# KiCad board MasterController.kicad_pcb (continued)
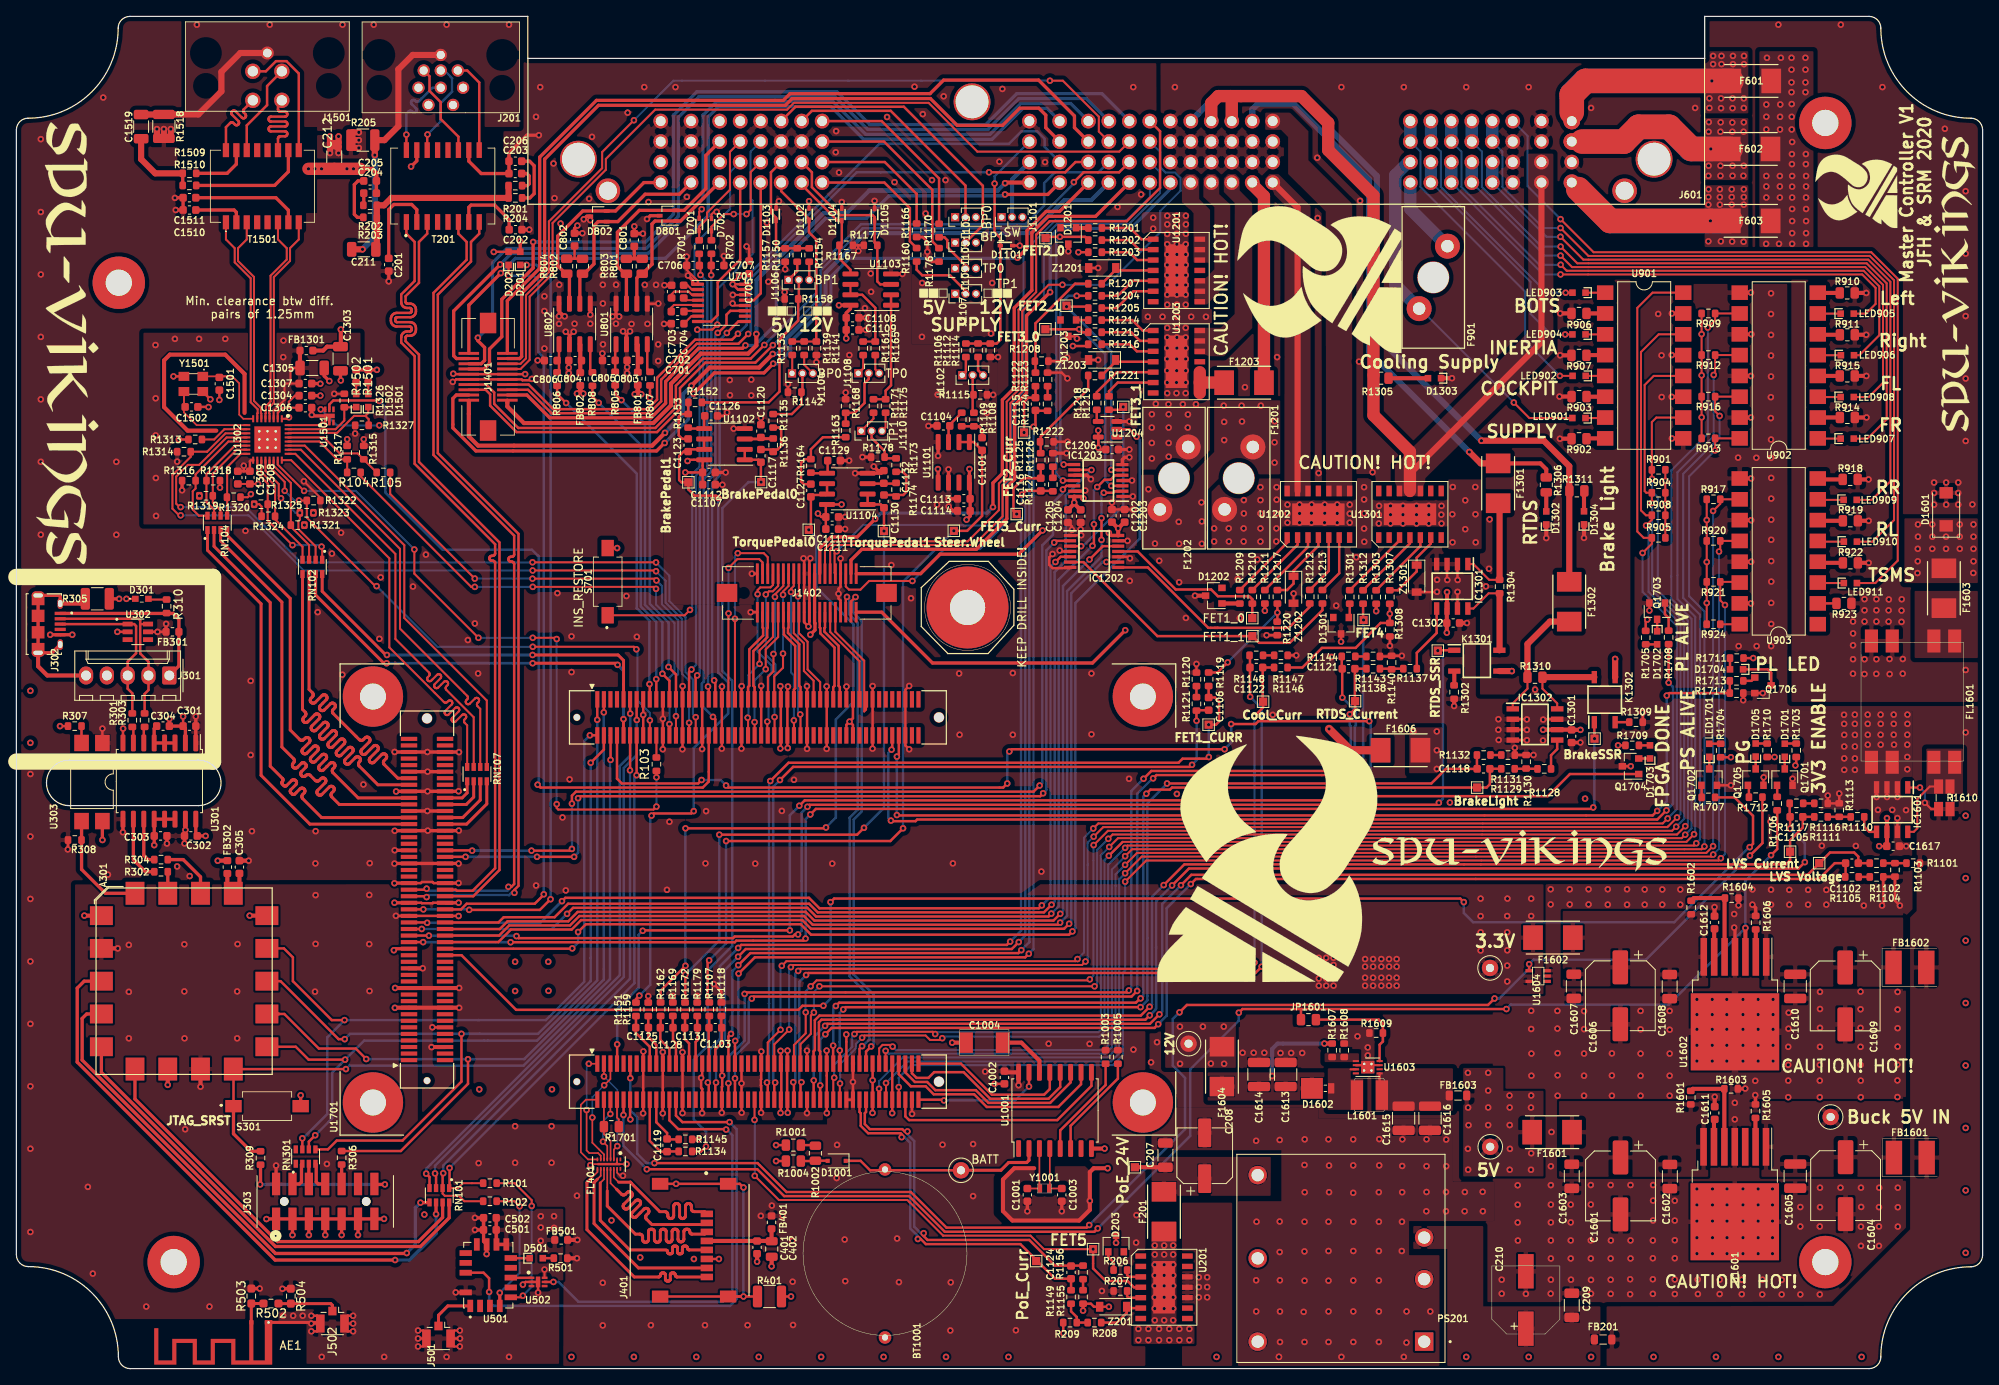
[diagram p0: board, top side]
## Routing (per net, layer and track width the routed paths; a pad name or vN(x,y) marks a point on that pad's centre or on a via; arc(x,y) is an arc through that point)
+3V3: length 180.3
  Top w0.2: v1(74.03,23.53) 73.7,23.53 73.33,23.91 FL401.15
  Top w0.25: 201.28,101.38 v1(201.28,102.7) v1(201.28,105.55) v1(201.28,108.33) 201.28,109.67 ; 206.32,90.83 v1(206.32,93.42) v1(206.32,98.42) v1(206.32,103.55) 206.32,106.08 ; R909.1 v1(205.7,126.22) v1(205.7,121.2) v1(205.7,116.08) R913.1 ; U701.16 88.92,133.08 C705.2 88.49,133.61 v1(88.21,133.33) 87.43,132.54 v1(87.43,132.32) ; U1501.6 v1(37.15,117.05)
  Top w0.3: 116.41,108.02 U1101.8 ; v1(132.05,112.37) 132.27,112.15 C1206.2 ; v1(132.05,112.37) U1204.5 ; v1(132.05,112.37) v1(132.05,114.47) ; C1111.1 98.8,105.3 U1104.8 v1(100.72,105.44) ; U701.15 88.08,131.67 v1(87.43,132.32) U701.16 ; 130.82,124.99 130.61,124.78 v1(128.95,124.78) ; v1(53.33,121.4) 53.38,121.34 J1401.10 62.09,121.34 v1(62.1,121.35) ; 81.9,109.35 81.65,109.35 v1(81.65,109.35) ; 81.9,109.35 C1112.2 ; 81.9,109.35 81.9,109.35 ; R1711.1 v1(212,86.7) ; v1(53.97,55.22) 53.96,55.24 U1701.JX3.46 46.33,55.24 v1(46.33,55.25) ; U1701.JX2.98 109.31,31.09 v1(109.32,31.07) ; v1(217.15,73.6) 217.25,73.7 R1703.1 ; U1701.JX1.79 102.11,79.36 v1(101.7,78.95) ; U1701.JX2.78 U1701.JX2.80 v1(102.11,34.99) U1701.JX2.79 ; R1203.2 v1(129.63,136.22) ; R1705.1 198.88,91.2 v1(199.07,91.4) ; C1110.1 98.25,103.92 v1(97.84,104.34) ; v1(101.7,78.95) 102.11,78.54 U1701.JX1.80 ; v1(101.7,78.95) 101.31,78.56 U1701.JX1.78 ; v1(58.27,136.26) 58.28,136.27 D202.2 ; S701.2 v1(73.33,100.12) ; C1107.1 83.76,110.7 U1102.8 82.07,110.89 v1(81.92,110.75) ; R1704.1 v1(209.28,74.6) ; R1710.1 v1(214.6,74.62)
  Top w0.4: v1(130.25,106.17) 130.01,106.42 129.12,106.42 ; v1(16.83,63.88) C303.2 16.83,67.04 U301.12 U301.14 ; v1(116.33,109.77) 116.33,108.12 U1101.8 116.42,108.01 C1114.1 116.42,104.03 v1(115.98,103.59) ; U303.4 10.49,64.5 v1(10.5,64.5) ; R1501.1 v1(44,121.88) ; J303.2 v1(31.7,24.78) ; D202.2 D201.2 v1(61.5,137.55) ; v1(101.29,125.7) C1109.1 101.29,128.81 101.81,129.32 U1103.8 100.41,129.76 v1(100.4,129.75) ; v1(23.1,65) 22.08,65 21.9,65.17 U301.16 ; v1(133.35,101.97) 133.66,101.66 IC1202.14 ; R1211.2 v1(152.39,92.47) ; U1101.5 112.51,109.73 v1(112.48,109.76) ; R1303.2 v1(165.98,92.42)
  Top w0.5: 129.12,105.55 C1205.2 ; 129.12,105.55 129.88,104.79 C1204.2 ; 129.12,105.55 v1(129.12,105.67) 129.12,106.42 ; 134.49,102.52 IC1202.14 ; 134.49,102.52 v1(134.48,102.53) C1202.2 ; 134.49,102.52 135.25,103.28 C1203.2 ; 67.24,13.46 v1(68.42,13.46) ; v1(75.47,118.9) 75.85,119.28 75.85,120 75.85,119.33 v1(76.28,118.9) ; FB501.1 v1(68.47,15.7) ; v1(69.2,118.97) 68.83,119.34 FB802.1 68.83,119.38 v1(68.42,118.97) ; C1002.2 120.75,36.15 U1001.16 122.32,36.15 v1(122.32,34.57) ; FB302.2 24.59,61.99 v1(24.58,61.97) ; A301.8 v1(22.48,34.4) ; FB1301.1 37.45,124.22 37.92,124.7 39.6,124.7 v1(39.6,126.8) ; A301.2 v1(12.38,51.28)
  Bottom w0.25: v1(44.3,115.1) 39.1,115.1 v1(37.15,117.05)
  vias: v1(13.73,51.7) v1(13.73,45.97) v1(13.73,40.3) v1(20.5,51.78) v1(20.5,46.03) v1(20.52,40.3) v1(20.6,29.2) v1(27,51.8) v1(26.95,46.03) v1(26.95,40.3) v1(36.52,57.78) v1(36.52,51.82) v1(36.45,46) v1(37.9,24.97) v1(43.08,57.8) v1(43.08,51.8) v1(43.1,46.07) v1(56.42,25.07) v1(56.5,34.07) v1(60.88,49.65) v1(60.88,46.07) v1(60.88,29.57) v1(60.88,25.12) v1(64.92,49.65) v1(64.95,46.1) v1(65.33,29.57) v1(65.33,25.12) v1(65.38,34.07) v1(68.42,21.1) v1(71.58,10.47) v1(71.58,5.28) v1(77.45,5.3) v1(84.05,5.3) v1(89.25,5.3) v1(90.87,18.65) v1(92.21,19.89) v1(93.53,18.65) v1(94.72,15.6) v1(94.75,10.6) v1(94.8,5.32) v1(100.12,23.25) v1(100.17,27.3) v1(101.1,15.75) v1(101.18,10.68) v1(107.5,15.88) v1(107.72,10.55) v1(113.05,27.32) v1(114,4.65) v1(114.05,10.53) v1(116.78,27.4) v1(116.78,21.05) v1(118.25,36.25) v1(122,4.68) v1(126,39.65) v1(131,39.62) v1(132.5,9.47) v1(136.35,38.93) v1(136.72,18.72) v1(136.68,15.38) v1(158.97,50.12) v1(158.97,49.25) v1(158.97,47.6) v1(158.97,46.72) v1(159.88,50.12) v1(159.88,49.25) v1(159.88,47.6) v1(159.88,46.72) v1(160.78,50.12) v1(160.78,49.25) v1(160.78,47.6) v1(160.78,46.72) v1(164.62,49.97) v1(164.62,49.05) v1(164.62,47.7) v1(164.62,46.72) v1(165.6,49.97) v1(165.6,49.05) v1(165.6,47.7) v1(165.6,46.72) v1(166.6,49.97) v1(166.6,49.05) v1(166.6,47.7) v1(166.6,46.72) v1(167.55,49.97) v1(167.55,49.05) v1(167.55,47.7) v1(167.55,46.72) v1(168.47,49.97) v1(168.47,49.05) v1(168.47,47.7) v1(168.47,46.72) v1(178.72,57.35) v1(178.72,55.22) v1(178.72,53.24) v1(178.72,51.01) v1(182,57.35) v1(181.97,55.22) v1(181.97,53.24) v1(181.97,51.04) v1(181.97,49.18) v1(181.97,47.24) v1(184.9,57.35) v1(184.9,55.22)
+5V: length 56.6
  Top w0.3: 227.32,63.75 v1(227.38,63.75) C1617.2 ; v1(93.28,31.2) 93.31,31.24 U1701.JX2.58 93.37,32.87 93.37,37.16 U1701.JX2.57 93.31,38.74 v1(93.28,38.78) ; v1(94.15,31.22) 94.11,31.26 U1701.JX2.60 94.07,32.85 94.07,37.18 U1701.JX2.59 94.11,38.78 v1(94.12,38.8) ; v1(74.94,30.41) 74.91,30.44 U1701.JX2.12 ; v1(94.17,83.22) 94.11,83.16 U1701.JX1.59 U1701.JX1.60 94.11,75.77 v1(94.15,75.72) ; R1709.1 v1(195.5,76.05) ; v1(93.25,83.28) 93.31,83.22 U1701.JX1.57 U1701.JX1.58 93.31,75.73 v1(93.25,75.67) ; R1001.1 92.73,27.27 v1(92.72,27.28)
  Top w0.4: J1402.24 J1402.23 97.43,90.99 97.48,90.94 97.48,90.12 v1(96.91,89.55)
  Top w0.5: v1(186.35,77.95) 186.37,77.97 IC1302.6 189.81,77.97 C1301.1 v1(190.91,77.94) ; v1(228.32,67.17) 228.32,63.78 C1617.2 ; v1(174.6,89.8) C1302.1 174.6,92.72 IC1301.6 174.62,92.75 v1(174.62,94.75)
  vias: v1(170.53,77.75) v1(173.38,77.75) v1(173.38,75.45) v1(173.38,73.17) v1(177.18,36.1) v1(177.2,31.85) v1(177.25,29.7) v1(177.18,26.82) v1(177.2,24.28) v1(179.65,36.1) v1(179.65,33.93) v1(179.65,31.87) v1(179.65,29.72) v1(182.25,33.32) v1(182.28,31.87) v1(182.28,29.72) v1(182.3,26.81) v1(182.28,24.26) v1(184.9,33.32) v1(184.88,31.85) v1(184.9,26.28) v1(184.88,24.26)
+5V_Sensor: length 148.7
  Top w1: v1(160.22,78.05) 162.82,75.45 F1606.2
  In2.Cu w1: J1103.1 114.58,142 115.03,142.45 119.68,142.45 120.26,141.87 J1101.1 ; J1103.1 114.58,129.92 ; J1103.1 114.58,151.22 111.43,154.38 88.95,154.38 88.35,153.78 88.35,152.22 ; v1(160.22,78.05) 149.38,88.9 132.73,88.9 120.6,101.03 120.6,121.02 114.59,127.03 J1107.1
+12V: length 217.2
  Top w0.4: v1(125.25,102.28) 122.35,99.38 112.75,99.38 110.38,97 J1402.40 ; v1(135.35,90.1) 131.35,86.1 111.82,86.1 105.62,92.3 J1402.39
  In2.Cu w1: J1105.3 120.94,137.4 122.8,139.26 J1101.3 ; J1103.3 117.13,140.49 J1107.3 118.87,131.15 125.25,124.77 v1(125.25,102.28) 125.25,98.07 133.22,90.1 v1(135.35,90.1) 149.88,90.1 162.82,77.15 162.82,44.4 158.07,39.64 143.08,39.64 TP1604.1
  vias: v1(142.03,41.73) v1(142.03,37.2) v1(144.82,41.73) v1(145.8,37.22) v1(147.38,41.73) v1(147.41,37.2)
+24V:
  vias: v1(136.95,4.85) v1(136.95,3.47) v1(138.18,4.85) v1(138.18,3.47) v1(138.95,15.03) v1(138.95,13.93) v1(138.95,12.68) v1(138.95,11.38) v1(138.95,10.1) v1(138.95,8.7) v1(138.95,7.32) v1(138.95,5.9) v1(139.47,4.85) v1(139.47,3.47) v1(140.1,15.03) v1(140.1,13.93) v1(140.1,12.68) v1(140.1,11.38) v1(140.1,10.1) v1(140.1,8.7) v1(140.1,7.32) v1(140.1,5.9) v1(140.72,4.85) v1(140.72,3.47) v1(141.2,15.03) v1(141.2,13.93) v1(141.2,12.68) v1(141.2,11.38) v1(141.2,10.1) v1(141.2,8.7) v1(141.2,7.32) v1(141.2,5.9) v1(141.95,4.85) v1(141.95,3.47) v1(143.18,4.85) v1(143.18,3.47)
/Bluetooth/3V3_BT: length 5.5
  Top w0.25: v1(64.46,12.09) 64.46,11.09 U502.6
  Top w0.4: C502.2 58.58,15.18 U501.11 U501.10
  vias: v1(64.01,18.59) v1(64.01,17.22) v1(64.01,15.6) v1(65.62,18.6) v1(65.63,17.17)
/Driverless/VDDA: length 21
  Top w0.25: 33.45,120.2 33.45,121.92 33.62,122.1 C1305.2 ; 33.45,120.2 32.9,120.2 32.73,120.03 32.73,118.2 31.4,116.88 U1302.3 ; 33.45,120.2 C1307.1 ; v1(38.8,118.95) R1326.1 ; v1(35.09,108.27) 37.1,106.26 R1322.1
  Top w0.3: U1302.17 28.62,110.85 28.5,110.72 C1308.1 27.75,109.5 ; 27.75,109.5 v1(27.75,110.17) ; 27.75,109.5 C1309.1
  Top w0.4: R1316.1 v1(20.23,107.17)
  Top w0.5: C1305.2 34.61,122.11 FB1301.2
  vias: v1(16.98,124.9) v1(17,118.4) v1(17,113.88) v1(17.02,108.67) v1(17.05,104.05) v1(19.35,125.65) v1(19.62,110.67) v1(22.3,125.65) v1(25.5,125.65) v1(32.6,125.45) v1(32.58,123.42) v1(41.35,114.1)
/JTAG_UART Module/VBUS_DETECT: length 13.6
  Top w0.4: A301.18 10.88,58 7.95,60.92 U303.3
/Liveview/24V_PoE: length 360.8
  Top w0.4: C205.1 C204.1 ; v1(48.17,146.68) 48.88,147.38 T201.15
  Top w0.5: C205.1 43.95,145.88 43.42,146.4 v1(41.95,146.4)
  Top w1.5: v1(35.65,146.4) C212.1 v1(41.95,146.4)
  In2.Cu w1.5: J201.7 54.52,155.41 J201.1 53.3,151.8 v1(48.17,146.68) 47.9,146.4 v1(41.95,146.4) v1(41.15,146.4) v1(40.35,146.4) v1(37.25,146.4) v1(35.65,146.4) ; v1(145.35,9.95) 145.35,3.65 143.82,2.12 127.91,2.12 123.36,6.68 54.13,6.68 49.08,11.72 26.62,11.72 21.07,17.28 10.17,17.28 4.75,22.7 4.75,63.95 8.05,67.25 24.52,67.25 26.67,69.4 26.67,97.27 25.39,98.55 18.12,98.55 14.58,102.1 14.58,128.07 21.17,134.68 21.17,141.7 25.88,146.4 36.05,146.4
  vias: v1(36.45,146.4) v1(144.32,11.15) v1(144.32,9.95) v1(144.32,8.7) v1(145.35,11.15) v1(145.35,8.7)
/PowerSupply/3V3_EN: length 188.4
  Top w0.3: v1(74.1,30.95) 74.11,30.96 U1701.JX2.10 ; v1(76.95,24.32) 90.43,24.32 93.71,21.05 108.97,21.05 113.32,16.7 131.58,16.7 v1(131.99,17.11) ; JP1601.1 156.8,43.87 156.79,43.88 ; 156.79,43.88 v1(181.88,43.88) ; 156.79,43.88 149.66,43.88 v1(149.21,43.43) ; R1706.2 214.93,63.4 v1(214.18,62.65)
  Top w0.5: 211.04,50.24 v1(211.04,53.77)
  Bottom w0.3: v1(76.95,24.32) 74.1,27.18 v1(74.1,30.95) ; v1(181.88,43.88) 182.42,44.42 201.69,44.42 v1(211.04,53.77) 211.04,59.52 v1(214.18,62.65) ; v1(131.99,17.11) 143.28,28.4 143.28,36.52 149.21,42.45 v1(149.21,43.43)
GND: length 698
  Top w0.2: FL401.17 73.13,24.95 73.33,25.15 FL401.2 ; FL401.17 74.46,24.95 v1(74.47,24.96) ; FL401.17 70.19,24.95 v1(70.06,24.82)
  Top w0.25: v1(49.03,2.7) 49.65,2.7 50.05,3.1 J501.2 50.05,4.25 49.65,4.65 v1(49.03,4.65) ; v1(54.12,4.65) 53.47,4.65 53,4.18 J501.2 53,3.12 53.42,2.7 v1(54.12,2.7) ; C707.2 v1(86.36,135.75) ; v1(29.02,105.47) 29.65,105.47 29.92,105.2 R1324.1 ; v1(33.27,116.08) 33.1,115.9 U1302.1 ; U1603.9 165.55,37.03 U1603.7 ; R1318.1 v1(24.85,107.5) ; U701.12 87.68,129.72 v1(87.42,129.97) ; D701.2 83.34,141.17 v1(83.65,141.47) ; v1(155.9,94.58) 155.89,94.56 Z1202.2 ; U701.14 v1(87.44,131.02) ; D1102.2 v1(96.75,142.45) ; U701.1 83.2,132.68 81.81,134.06 C706.2 v1(81.81,135.69) ; C806.1 63.65,123 v1(63.62,123.03) ; v1(28.62,106.71) 28.24,106.33 R1320.1 ; U1501.2 U1501.7 ; C1309.2 C1308.2 v1(29.5,107.95) ; D702.2 84.84,140.84 85.15,141.15 v1(85.47,141.15) ; D1105.2 v1(104.75,142.49) ; D1104.2 v1(100.75,142.35)
  Top w0.3: R1220.2 v1(152.6,89.49) ; D203.3 v1(134.22,15.35) 134.22,15.18 ; J501.2 v1(49.03,3.68) ; J501.2 v1(54.15,3.68) ; 83.71,34.12 83.58,34.25 v1(83.58,35.48) 83.71,35.61 U1701.JX2.33 ; 83.71,34.12 83.6,34.22 ; 83.71,34.12 U1701.JX2.34 83.71,31.19 v1(83.7,31.18) ; v1(185.18,74.88) R1130.1 182.9,74.88 182.9,74.87 182.9,75.75 v1(182.9,75.75) ; U1701.JX1.16 76.51,79.77 v1(76.51,79.77) 76.51,79.77 U1701.JX1.15 ; v1(89.62,92.3) J1402.1 ; v1(74.05,126.58) 74.47,126.16 U801.2 74.47,126.14 v1(74.9,126.58) ; C1617.1 v1(230.68,63.75) ; D1203.3 129.18,125.96 v1(129.45,125.69) ; IC1302.2 184.35,79.23 v1(184.37,79.22) ; v1(229.6,67.17) 229.6,67.17 IC1601.7 ; v1(88.53,31.22) 88.51,31.24 U1701.JX2.46 v1(88.51,34.8) U1701.JX2.45 ; v1(23.67,118.28) 22.75,119.2 22.75,119.22 ; IC1301.2 175.9,96.25 v1(175.92,96.23) ; v1(133.35,7.55) Z201.2 131.53,7.55 131.16,7.92 R1155.2 ; U1701.JX3.55 49.36,59.24 49.5,59.38 50.8,59.38 50.94,59.24 U1701.JX3.56 ; U1701.JX1.33 83.71,75.61 v1(83.7,75.6) ; v1(76.53,38.7) 76.51,38.69 U1701.JX2.15 76.51,31.16 v1(76.5,31.15) ; IC1302.4 184.35,76.69 v1(184.37,76.68) ; v1(128.29,120.83) 127.59,121.53 R1123.2 ; v1(83.1,45.47) 83.11,45.47 R1179.2 ; IC1301.3 174.63,96.26 v1(174.66,96.23) ; v1(62.91,120.77) 62.74,120.6 61.78,120.6 61.67,120.71 J1401.12 53.67,120.71 53.37,120.4 v1(53.26,120.4) ; v1(104.5,31.2) 104.51,31.21 v1(104.51,35.19) U1701.JX2.85 ; v1(61.83,10.25) 62.15,10.57 U502.2 U502.7 v1(63.67,9.28) ; U501.17 v1(53.62,9.3) ; R1208.2 127.6,122.93 128.03,123.36 v1(128.27,123.36) ; IC1601.4 227.06,69.75 v1(227.05,69.75) ; J502.2 v1(41.1,5.5) ; J502.2 40.05,6.07 40.42,6.45 v1(41.1,6.45) ; J502.2 40.05,4.93 40.42,4.55 v1(41.1,4.55) ; 93.78,130.53 v1(93.78,131.35) ; Y1501.2 v1(19.17,121.08) ; v1(136.28,106.42) 136.26,106.42 135,106.42 ; v1(198.5,80.05) 198.51,80.03 R1309.2 ; v1(6.27,63.35) 6.3,63.38 R308.2 ; v1(86.12,83.22) 86.11,83.21 U1701.JX1.39 86.11,75.66 v1(86.1,75.65) ; U1603.9 164.7,37.03 U1603.2 ; IC1202.4 127.46,99.71 v1(127.34,99.83) ; v1(100.6,98.85) 100.6,98.85 J1402.34 100.6,95.41 100.35,95.16 v1(100.35,94.55) 100.35,93.97 100.6,93.72 J1402.33 ; v1(96.5,83.28) 96.51,83.27 U1701.JX1.65 96.51,75.63 v1(96.51,75.63) ; U1701.JX1.52 v1(90.91,83.3) ; U1701.JX2.91 U1701.JX2.92 106.91,31.19 v1(106.9,31.18) ; R401.1 v1(94.55,8.8) ; Z1203.2 v1(132.04,123.08) ; 109.88,138.07 110.62,138.07 111.2,137.5 v1(111.2,136.28) 111.2,135.6 111.72,135.07 112.62,135.07 ; D1103.2 92.72,142.1 v1(93.08,142.45) ; v1(96.5,38.8) 96.51,38.79 U1701.JX2.65 ; 155.18,87.03 v1(156.22,87.03) ; v1(67.05,126.53) 67.5,126.07 U802.2 67.5,126 v1(68.03,126.53) ; 85.33,109.33 C1112.1 ; v1(101.3,40.78) 101.31,40.76 U1701.JX2.77 ; v1(128.84,102.35) 128.84,102.75 C1205.1 ; U1701.JX2.66 96.51,31.19 v1(96.5,31.18) ; v1(90.92,38.7) 90.91,38.69 U1701.JX2.51 90.91,35.31 90.87,35.27 90.87,34.55 90.91,34.5 U1701.JX2.52 90.91,31.24 v1(90.9,31.22) ; v1(173.4,94.79) 173.36,94.75 Z1301.2 ; R1313.2 v1(19.83,113.38) ; v1(81.3,75.58) 81.31,75.58 U1701.JX1.27 81.31,83.26 v1(81.33,83.28) ; v1(96.91,98.88) 96.79,98.76 J1402.22 J1402.21 96.79,90.67 v1(96.68,90.55) 96.16,91.08 J1402.19 J1402.20 96.16,98.79 v1(96.08,98.88) ; v1(108.97,83.3) 108.51,82.83 U1701.JX1.96 108.51,76.03 v1(108.97,75.57) ; v1(169.11,86.98) R1140.1 167.78,86.9 R1143.2 ; R1004.1 v1(92.72,25.32) ; v1(98.9,38.8) 98.91,38.79 U1701.JX2.71 U1701.JX2.72 98.91,31.18 v1(98.92,31.18) ; v1(50.78,41.65) 50.78,41.64 U1701.JX3.12 ; J502.2 37.1,6.07 36.73,6.45 v1(36,6.45) ; J502.2 37.1,4.93 36.73,4.55 v1(36,4.55) ; J502.2 v1(36,5.5) ; Q1706.2 v1(213.16,82.42) ; Z1201.2 v1(132.04,134.3) ; R1159.2 v1(77.12,45.45) ; Q1704.3 v1(197.05,73.5) ; 134.44,99.11 IC1202.10 135.74,99.06 v1(135.93,98.88) ; U1701.JX3.49 49.44,56.84 49.49,56.78 50.78,56.78 50.84,56.84 U1701.JX3.50 ; v1(89.13,136.93) 89.44,136.62 C705.1 ; v1(23.45,117.33) 23.42,117.35 C1502.2 ; v1(101.32,83.22) 101.31,83.21 U1701.JX1.77 ; v1(88.53,83.28) 88.51,83.26 U1701.JX1.45 88.51,75.66 v1(88.5,75.65) ; v1(184.37,77.94) 184.34,77.97 IC1302.3 ; v1(213.28,72.15) 213.25,72.12 Q1705.2 ; v1(86.1,31.22) 86.11,31.24 U1701.JX2.40 86.11,34.38 86.15,34.42 v1(86.15,35.75) 86.11,35.79 U1701.JX2.39 ; v1(78.36,129.96) 78.34,129.94 U801.5 ; 102.76,137.06 102.76,136.38 v1(102.78,136.38) ; 102.76,137.06 R1177.1 ; 102.76,137.06 R1167.1 ; Q1702.2 v1(209.28,71.17) ; v1(126.48,99.4) 126.07,99 126.07,98.06 126.46,97.67 128.53,97.67 IC1202.7 ; v1(104.52,83.29) 104.51,83.28 U1701.JX1.86 104.51,75.66 v1(104.5,75.65) ; C1501.2 v1(24.77,118.2) ; IC1301.7 175.9,94.77 v1(175.91,94.78) ; IC1601.2 229.6,69.75 v1(229.6,69.75) ; v1(71.53,123.88) 71.54,123.86 C805.1 ; v1(210.78,81.55) 210.79,81.56 R1714.1 ; U802.5 70.05,128.6 v1(70.05,128.6) ; v1(227.72,56.5) 227.88,56.65 R1104.2 227.9,60.03 R1103.1 229.3,57.1 v1(229.9,56.5) ; v1(85.75,13.38) 85.75,13.38 84.28,13.38 ; v1(133.72,105.7) C1202.1 136.31,104.83 v1(136.32,104.83) ; R1222.2 v1(128.31,113.09) ; v1(66.92,128.4) 66.23,129.09 U802.8 66.23,128.41 v1(66.23,128.4) ; 199.32,93.42 v1(199.32,92.5) ; J1402.2 v1(89.78,97) ; v1(94.17,120.12) R1142.1 ; R209.2 127.78,4.32 v1(127.8,4.3) ; v1(78.9,75.58) 78.91,75.58 v1(78.91,79.28) U1701.JX1.21 ; 228.32,70.92 v1(228.32,69.75) ; IC1202.13 v1(135.62,101.01) ; v1(85.13,46.93) 86.05,46 86.05,44.68 ; v1(93.84,134.14) R1157.1 ; R1114.1 v1(119.82,123.43) ; v1(81.31,31.18) 81.31,31.18 U1701.JX2.27 81.31,38.6 v1(81.31,38.61) ; Q1701.2 v1(216.8,71.97) ; v1(221.1,69.92) R1116.2 R1113.1 v1(222.5,70.17) ; 135.22,104.89 C1203.1 ; R1308.2 v1(167.65,88.2) ; R1141.1 v1(97.65,122.8) ; U1701.JX2.22 78.91,31.16 v1(78.9,31.15) v1(78.9,38.62) 78.91,38.62 U1701.JX2.21 ; R1169.2 v1(80.12,45.47) ; C1204.1 129.91,102.41 v1(129.9,102.4) ; C1002.1 v1(119.4,34.75) ; R1145.2 v1(83.28,27.97) ; C1126.2 86.33,116.25 v1(86.75,116.67) ; v1(129.97,101.69) 128.64,101.69 IC1202.1 128.62,101.67 ; D1301.3 v1(161.69,88.7) ; R1120.2 v1(144.04,85.98) ; v1(72.78,128.38) 73.19,128.8 U801.8 73.19,128.75 v1(73.58,128.38) ; D1101.2 v1(122.47,137.03) ; v1(98.9,83.25) 98.91,83.24 U1701.JX1.71 U1701.JX1.72 98.91,75.64 v1(98.9,75.62) ; IC1302.7 186.41,79.23 v1(186.36,79.19)
  Top w0.37: AE1.2 36.96,5.64 J502.2
  Top w0.4: 76.92,140.22 v1(76.97,140.28) 77.38,140.68 D801.3 ; T201.10 55.22,147.33 56.73,145.82 C203.1 C206.1 ; C1001.2 v1(123.4,19.2) ; C1003.1 v1(127.6,19.2) ; U1701.JX3.78 v1(50.17,68.04) U1701.JX3.77 ; U1701.JX3.89 v1(50.19,72.84) U1701.JX3.90 ; v1(20.52,64.08) C302.1 20.63,65.11 v1(20.63,65.73) U301.15 ; U1101.4 112.51,111.39 v1(112.5,111.38) ; U1204.3 135.84,115.57 v1(135.85,115.58) ; v1(79.05,127.47) 79.08,127.5 79.94,127.5 ; v1(13,65.45) 13.01,65.46 U301.9 ; 203.46,113.51 202.09,113.51 v1(202.07,113.5) ; v1(113.78,106.15) 113.79,106.14 C1113.2 ; v1(113.8,105.19) 114.33,104.67 C1114.2 ; 203.46,128.75 v1(202.07,128.75) ; U903.9 211.74,108.61 v1(211.75,108.62) ; 203.46,123.67 202.06,123.67 v1(202.05,123.67) ; v1(74.55,121.45) v1(74.55,122.2) 74.54,122.21 C803.2 ; v1(54.03,75.22) 54.01,75.24 U1701.JX3.96 v1(50.17,75.24) 46.19,75.24 v1(46.17,75.25) ; R1126.2 v1(128.19,111.7) ; U903.15 v1(211.72,93.38) ; v1(46.17,63.25) 46.19,63.24 U1701.JX3.65 ; v1(68.48,139.47) 68.13,139.12 C802.2 v1(69.09,138.54) ; v1(32.48,9.74) 32.49,9.76 R504.2 ; S301.2 v1(34.7,33.35) ; C1307.2 37.08,120.2 v1(37.1,120.17) ; U701.1 82.54,132.32 82.54,132.81 v1(81.97,133.38) ; v1(86.17,107.85) 86.16,107.86 C1107.2 ; U1701.JX3.50 53.97,56.84 v1(53.97,56.85) ; C1110.2 101.15,103.92 v1(101.15,103.92) ; v1(53.97,61.62) 53.96,61.64 U1701.JX3.62 46.17,61.64 v1(46.15,61.62) ; C1304.1 v1(37.1,118.72) ; v1(38.2,120.5) 37.58,121.12 C1305.1 ; v1(54,65.65) 53.99,65.64 U1701.JX3.72 v1(50.22,65.64) 46.19,65.64 v1(46.17,65.62) ; R1606.2 212.3,56.22 v1(211.9,56.62) ; R1315.1 v1(42.4,113.4) ; v1(211.75,98.45) 211.75,98.45 U903.13 ; v1(113.78,109.72) 113.78,109.72 U1101.6 ; 104.32,111.22 v1(103.28,111.22) ; v1(211.72,121.12) 211.72,121.13 U902.13 ; U902.9 211.72,131.29 v1(211.72,131.3) ; J303.9 v1(39.7,16.3) ; R503.2 v1(29.7,9.77) ; U1701.JX3.35 46.27,51.24 v1(46.08,51.05) ; v1(57.4,13.97) U501.12 57.03,15.53 C502.1 v1(55.97,18.4) ; 203.46,118.59 202.06,118.59 v1(202.05,118.58) ; R1155.2 v1(130.2,7.07) ; U1701.JX3.56 53.97,59.24 v1(53.97,59.25) ; v1(131.16,108.53) 130.67,109.02 IC1203.10 ; v1(67.42,121.45) v1(67.42,122.15) C804.2 ; J303.11 v1(41.7,16.3) ; v1(46.15,59.22) 46.17,59.24 U1701.JX3.55 ; v1(79.1,132.2) 79.11,132.19 C703.2 ; R1168.1 v1(101.22,119.1) ; v1(102.38,109.25) 102.38,109.25 U1104.4 105.56,109.25 C1132.2 105.15,109.58 v1(104.65,110.08) ; C1206.1 v1(135.85,112.15) ; U903.11 211.74,103.53 v1(211.75,103.53) ; C1109.2 v1(103.68,126.75) ; 45.45,133.93 v1(45.45,132.68) ; v1(70.05,140.13) 70.05,140.13 D802.3 69.62,140.61 v1(69.25,140.25) ; v1(44.88,18.28) 44.87,18.27 J303.13 J303.1 30.55,18.27 v1(30.52,18.25) ; U902.15 v1(211.72,116.05) ; C1306.1 v1(36.05,116.38) 36.17,116.25 U1501.7 ; C206.1 60.12,147.82 ; C206.1 60.12,148.32 62.3,150.5 v1(63.78,150.5) ; v1(211.03,34.18) 210.99,34.14 R1603.2 ; U1102.4 87.56,114.7 v1(87.55,114.7) ; J303.3 v1(33.7,16.3) ; v1(190.9,76.4) 190.89,76.39 C1301.2 ; v1(209.68,53.81) 209.78,53.72 U1602.4 ; v1(101.15,102.45) 101.14,102.44 C1111.2 ; v1(135.85,111.2) 135.28,111.2 135,110.92 IC1203.7 ; v1(76.47,138.5) C801.2 75.42,139.37 v1(75.42,139.38) ; IC1203.13 130.38,107.06 v1(130.47,107.15) ; U1701.JX3.49 46.16,56.84 v1(46.15,56.85) ; R1605.2 212.28,33.35 v1(212.25,33.38) ; v1(103.7,128.22) 103.69,128.23 C1108.2 ; C1120.2 v1(90.88,116) ; IC1203.4 136.16,108.36 v1(136.18,108.38) ; C202.1 v1(62.6,138.97) ; C303.1 v1(18.38,64.08) ; C1129.2 v1(101.65,110.8) ; C1112.1 86.57,109.35 v1(86.58,109.36) ; U902.11 211.76,126.21 v1(211.78,126.22) ; v1(19.35,142.85) 19.38,142.88 C1511.2 C1510.2 v1(19.45,141.38) ; v1(46.35,70.42) 46.36,70.44 v1(50.19,70.44) U1701.JX3.84 53.97,70.44 v1(53.97,70.45) ; J303.5 v1(35.7,16.3) ; C1104.2 111.34,115.03 v1(111.32,115.03) ; v1(55.97,16.93) C501.2 ; R1604.2 v1(210.2,56.53) ; 39.56,121.75 39.56,120.61 v1(39.6,120.58) ; J303.7 v1(37.7,16.3) ; R1317.1 v1(40.38,113.4) ; R1115.1 v1(119.22,118.83) ; v1(108.15,133.57) 108.15,133.57 U1103.4
  Top w0.5: v1(177.05,90.98) C1302.2 ; v1(133.2,24.45) 131.5,24.45 131.03,23.97 v1(131.03,20.47) 131.03,19.38 129.72,18.07 121.57,18.07 120.43,19.22 120.43,23.07 121.8,24.45 124.22,24.45 ; v1(49.6,48.85) 49.59,48.84 U1701.JX3.29 ; U1701.JX3.6 50.69,39.24 v1(50.67,39.22) ; A301.1 v1(8.3,55.28) ; v1(54.05,46.45) 54.04,46.44 U1701.JX3.23 46.23,46.44 v1(46.22,46.45) ; A301.7 v1(18.48,34.62) ; D1202.3 v1(143.86,94.31) ; 92.19,13.58 92.19,12.49 ; U1001.8 v1(132.82,26.85) ; v1(54.05,44.03) 54.03,44.04 U1701.JX3.17 46.22,44.04 v1(46.2,44.03) ; R1302.2 v1(175.49,80.85) ; C1612.2 v1(207.28,56.31) ; C1004.2 v1(114.22,39.78) ; D1201.3 v1(128.4,136.33) ; 90.41,13.92 v1(90.41,13.05) ; C305.2 v1(28.35,61.97) ; C1611.2 v1(207.3,33.16) ; A301.14 v1(28.48,55.28)
  Top w0.75: R205.2 40.83,149.18 41.05,148.95 v1(41.8,148.95) ; R205.2 40.83,150.65 41.03,150.85 v1(41.8,150.85) ; R205.2 v1(41.8,149.9) ; R1518.1 17.16,150.11 17.15,150.12 v1(17.15,151.25) ; R1518.1 18.54,150.11 18.85,150.43 v1(18.85,151.25) ; R1518.1 v1(18,151.25) ; R1518.1 18.79,150.11 ; v1(38.28,148.32) 38.28,149.12 38.5,149.35 C212.2 ; v1(39.33,148.32) 39.33,149.1 39.3,149.12 39.03,149.12 C212.2 ; 45.44,132.66 v1(45.45,132.68) ; C212.2 38.53,149.35 38.28,149.6 v1(38.28,150.35) ; C212.2 39.08,149.35 39.33,149.6 v1(39.33,150.35)
  In1.Cu w1: J201.3 49.08,155.41 J201.2 51.75,152.74 63.42,152.74 v1(63.42,152.75)
  vias: v1(1.71,72.55) v1(1.71,64.93) v1(1.71,57.31) v1(1.71,49.69) v1(1.71,42.07) v1(1.71,34.45) v1(1.71,26.83) v1(1.71,16.67) v1(2.98,150.02) v1(2.98,141.13) v1(2.98,133.51) v1(2.98,125.89) v1(2.98,118.27) v1(2.98,110.65) v1(2.98,101.76) v1(8.73,22.18) v1(9.33,11.59) v1(10.6,155.1) v1(11.17,60.28) v1(12.2,110.65) v1(12.2,101.75) v1(15.85,7.57) v1(19.62,61.28) v1(21.15,60.1) v1(22.35,106.5) v1(23.57,7.57) v1(27.96,102.22) v1(28.6,83.92) v1(28.6,74.88) v1(28.75,65.58) v1(32.56,6.45) v1(33.78,6.45) v1(34.95,6.45) v1(35.15,102.92) v1(36.25,104.42) v1(36.52,65.58) v1(36.5,61.65) v1(36.78,92.31) v1(37.27,1.43) v1(38.51,99.45) v1(39.64,102) v1(39.78,84.67) v1(42.36,71.28) v1(43.12,61.67) v1(44.31,89.05) v1(44.46,96.55) v1(44.89,1.43) v1(48.41,95.42) v1(49.8,18.8) v1(49.98,99.33) v1(52.51,1.43) v1(55.11,88.9) v1(55.96,90.92) v1(56.36,84.83) v1(60.13,1.43) v1(63.44,58.95) v1(63.94,156.37) v1(64.45,130.85) v1(64.45,129.05) v1(64.45,124.48) v1(65.56,147.05) v1(65.69,142.82) v1(66.03,94.62) v1(66.24,127.49) v1(66.26,132.26) v1(66.42,139.72) v1(66.66,67.25) v1(67.06,58.35) v1(67.53,71.9) v1(67.76,89.35) v1(67.76,84.99) v1(67.75,1.43) v1(68.13,127.5) v1(69.91,142.75) v1(70.05,127.5) v1(70.26,150.3) v1(71.56,133.43) v1(71.58,132.26) v1(71.59,129.97) v1(71.6,124.98) v1(72.64,18.09) v1(73.2,132.26) v1(73.18,127.5) v1(74.46,94.28) v1(74.61,153.25) v1(75.09,127.47) v1(75.37,1.43) v1(75.73,89.3) v1(76.15,13.57) v1(76.64,156.37) v1(76.7,132.25) v1(77.03,127.48) v1(77.16,142.35) v1(78.08,132.25) v1(78.34,124.98) v1(78.34,122.95) v1(79.41,58.42) v1(79.71,66.72) v1(80.45,156.37) v1(81.83,142.97) v1(82.7,13.38) v1(82.99,1.43) v1(84.11,61.65) v1(84.19,68.03) v1(87.08,120.62) v1(87.1,118.78) v1(89.7,120.67) v1(89.7,118.75) v1(90.19,61.62) v1(90.61,1.43) v1(91.61,139.8) v1(91.78,132.62) v1(92.18,12.48) v1(93.44,68.05) v1(94.91,71.85) v1(98.23,1.43) v1(99.58,61.62) v1(100.01,148.43) v1(100.06,151) v1(100.41,145.95) v1(101.68,123.67) v1(103.57,129.4) v1(104.28,133.62) v1(104.32,131.4) v1(105.85,1.43) v1(106.28,152.72) v1(106.8,98.05) v1(107.19,144.78) v1(109.2,94) v1(109.62,156.43) v1(110.53,125.9) v1(110.63,153.07) v1(110.56,132.47) v1(110.99,140.95) v1(111.76,145.03) v1(112.45,118.85) v1(112.38,105.42) v1(113.19,155.25) v1(113.41,145.03) v1(113.47,1.43) v1(114.31,61.65) v1(115.07,84.83) v1(115.12,77.35) v1(118.45,116.62) v1(118.96,126.3) v1(119.11,132.47) v1(119.99,147.28) v1(120.35,156.15) v1(121.09,1.43) v1(121.62,84.88) v1(121.62,77.35) v1(125.11,60.65) v1(125.56,147.22) v1(131.22,84.83) v1(131.22,77.4) v1(134.41,141.75) v1(135.81,71.97) v1(135.9,96.12) v1(136.33,156.37) v1(137.28,143.28) v1(138.5,37.38) v1(139.22,39.82) v1(139.5,98.58) v1(141.65,70.12) v1(141.93,95.95) v1(142.75,91.6) v1(146.49,1.43) v1(149.07,96.35) v1(149.32,91.58) v1(149.68,38.54) v1(151.03,38.54) v1(151.32,27.8) v1(151.32,10.78) v1(151.34,6.97) v1(151.38,17.93) v1(151.47,98.72) v1(152.32,38.54) v1(153.35,79.78) v1(154.11,1.43) v1(154.11,1.43) v1(154.2,27.9) v1(154.2,17.95) v1(154.2,14.22) v1(154.22,10.78) v1(154.24,6.97) v1(154.24,3.25) v1(154.3,38.51) v1(155.6,38.51) v1(156.95,38.51) v1(157.12,6.93) v1(157.25,27.97) v1(157.22,24.85) v1(157.25,21.53) v1(157.24,17.93) v1(157.22,14.3) v1(157.24,10.72) v1(157.24,3.25) v1(160.15,27.97) v1(160.22,24.78) v1(160.22,21.53) v1(160.16,17.93) v1(160.16,14.35) v1(160.16,10.72) v1(160.16,6.97) v1(160.16,3.25) v1(160.53,86.83) v1(161.1,93.1) v1(161.47,70.12) v1(161.73,1.43) v1(163.18,27.97) v1(163.18,24.8) v1(163.18,21.45) v1(163.19,17.93) v1(163.19,14.35) v1(163.19,10.75) v1(163.19,6.97) v1(163.19,3.25) v1(163.55,99) v1(163.7,40.55) v1(164.95,39.19) v1(164.95,38.22) v1(166.35,28) v1(166.35,24.8) v1(166.3,21.53) v1(166.31,17.93) v1(166.31,14.35) v1(166.31,10.75) v1(166.31,6.97) v1(166.31,3.25) v1(169.12,17.93) v1(169.1,14.35) v1(169.18,27.97) v1(169.15,24.72) v1(169.15,21.53) v1(169.35,1.43) v1(169.69,6.97) v1(169.68,3.18) v1(172.12,27.97) v1(172.12,24.7) v1(172.12,21.55) v1(172.1,19.2) v1(172.59,6.97) v1(173.41,96.25) v1(174.53,27.95) v1(174.53,24.7) v1(174.5,21.55) v1(174.5,19.2) v1(174.97,69.08) v1(176.8,21.55) v1(176.78,19.2) v1(176.97,1.43) v1(178.97,21.57) v1(179,19.2) v1(180.9,79.24) v1(180.89,77.95) v1(180.93,76.71) v1(181.3,10.85) v1(181.3,9.15) v1(183.25,22.38) v1(183.25,20) v1(183.25,17.82) v1(183.28,15.62) v1(184.25,9.12) v1(184.59,1.43) v1(184.9,43.66) v1(184.9,41.44) v1(184.93,38.44) v1(184.93,35.74) v1(186.34,76.64) v1(187.28,58.49) v1(187.28,56.64) v1(187.3,24.69) v1(187.3,22.39) v1(187.3,20.01) v1(187.3,17.84) v1(187.3,15.64) v1(187.3,13.44) v1(187.3,10.85) v1(187.28,9.15) v1(187.38,28.88) v1(188.1,43.65) v1(188.1,41.49) v1(188.12,38.49) v1(188.12,35.79) v1(188.12,33.3) v1(189.6,58.49) v1(189.6,56.64) v1(189.72,20.01) v1(189.72,17.84) v1(189.72,15.64) v1(189.72,13.44) v1(189.75,10.85) v1(191.35,43.62) v1(191.35,41.43) v1(191.35,38.44) v1(191.35,35.74) v1(191.35,33.3) v1(191.9,58.49) v1(191.9,56.64) v1(192.18,22.4) v1(192.18,20.03) v1(192.18,15.64) v1(192.18,13.44) v1(192.2,10.82) v1(192.2,9.15) v1(192.21,1.43) v1(194.25,58.49) v1(194.25,56.62) v1(194.6,22.4) v1(194.62,15.64) v1(194.6,13.44) v1(194.6,10.85) v1(194.6,9.12) v1(194.75,38.47) v1(194.75,35.76) v1(194.75,33.3) v1(196.6,58.49) v1(196.6,56.62) v1(197.03,22.4) v1(197.03,15.64) v1(197.03,13.44) v1(196.97,10.9) v1(196.97,9.07) v1(198.25,43.65) v1(198.25,41.4) v1(198.25,38.44) v1(198.25,35.74) v1(198.25,33.3) v1(198.75,58.47) v1(198.75,56.62) v1(199.78,22.4) v1(199.78,20.5) v1(199.78,18.07) v1(199.75,15.64) v1(199.75,13.47) v1(199.75,10.9) v1(199.75,9.12) v1(199.83,1.43) v1(200.4,128.69) v1(200.81,123.64) v1(200.82,118.55) v1(200.9,58.47) v1(200.9,56.62) v1(201.8,43.65) v1(201.8,41.35) v1(201.8,38.44) v1(201.8,35.74) v1(201.8,33.3) v1(202.43,20.49) v1(202.43,18.06) v1(202.43,15.66) v1(202.43,13.47) v1(202.43,10.88) v1(202.43,9.1) v1(203.1,58.47) v1(203.1,56.62) v1(205.12,45.05) v1(205.12,43.2) v1(205.12,41.4) v1(205.12,39.45) v1(205.12,37.53) v1(205.12,21.93) v1(205.12,19.97) v1(205.12,18) v1(205.12,15.97) v1(205.12,14.03) v1(205.22,10.88) v1(205.25,9.1) v1(207,45.05) v1(207,43.2) v1(207,41.4) v1(207,39.45) v1(207,37.53) v1(207.03,21.93) v1(207.03,19.97) v1(207.03,18) v1(207.03,15.97) v1(207.03,14.03) v1(207.45,1.43) v1(207.9,10.85) v1(207.9,9.1) v1(208.78,45.05) v1(208.78,43.2) v1(208.78,41.4) v1(208.78,39.45) v1(208.78,37.53) v1(208.8,21.93) v1(208.8,19.97) v1(208.8,18) v1(208.8,15.97) v1(208.8,14.03) v1(209.68,55.47) v1(209.75,32.44) v1(209.75,30.41) v1(210.15,111.16) v1(210.22,88.16) v1(210.6,10.85) v1(210.6,9.07) v1(210.75,45.05) v1(210.75,43.2) v1(210.75,41.4) v1(210.75,39.45) v1(210.75,37.53) v1(210.75,21.93) v1(210.75,19.97) v1(210.75,18) v1(210.75,15.97) v1(210.75,14.03) v1(211.9,58.47) v1(212.25,35.12) v1(212.38,111.14) v1(212.42,88.16) v1(212.6,45.05) v1(212.6,43.2) v1(212.6,41.4) v1(212.6,39.45) v1(212.6,37.53) v1(212.6,21.93) v1(212.6,19.97) v1(212.6,18) v1(212.6,15.97) v1(212.6,14.03) v1(213.12,10.85) v1(213.1,9.05) v1(214.12,66.75) v1(214.18,131.21) v1(214.18,128.69) v1(214.18,126.13) v1(214.18,123.61) v1(214.18,121.06) v1(214.15,118.53) v1(214.15,115.98) v1(214.18,113.36) v1(214.17,111.13) v1(214.2,108.69) v1(214.2,106.16) v1(214.2,103.58) v1(214.2,101.14) v1(214.2,98.53) v1(214.2,96.03) v1(214.2,93.44) v1(214.2,90.86) v1(214.19,88.16) v1(214.18,58.44) v1(214.18,56.62) v1(214.35,21.93) v1(214.35,19.97) v1(214.35,18) v1(214.35,15.97) v1(214.35,14.03) v1(214.43,45.05) v1(214.43,43.2) v1(214.43,41.4) v1(214.43,39.45) v1(214.43,37.53) v1(215.07,1.43) v1(215.47,10.82) v1(215.47,9.05) v1(216.32,43.43) v1(216.3,41.47) v1(216.28,39.26) v1(216.28,37.06) v1(216.28,35.14) v1(216.28,33.12) v1(216.4,58.42) v1(216.4,56.62) v1(217.75,19.72) v1(217.75,17.34) v1(217.75,9.05) v1(218.7,58.42) v1(218.7,56.62) v1(220.12,37.06) v1(220.12,35.14) v1(220.12,33.12) v1(220.12,17.34) v1(220.12,9.05) v1(220.15,45.97) v1(220.15,43.88) v1(220.15,41.57) v1(220.15,39.26) v1(220.15,22.07) v1(220.15,19.7) v1(220.38,63.8) v1(220.93,58.42) v1(220.93,56.62) v1(222.65,22.07) v1(223.09,79.78) v1(223.1,78.67) v1(223.11,77.33) v1(223.11,75.91) v1(223.11,74.46) v1(223.11,73.06) v1(224.4,79.8) v1(224.4,78.67) v1(224.41,77.33) v1(224.41,75.91) v1(224.41,74.46) v1(224.41,73.06) v1(224.53,63.78) v1(225.1,46) v1(225.1,43.85) v1(225.1,41.57) v1(225.1,39.26) v1(225.1,37.06) v1(225.12,35.14) v1(225.12,33.12) v1(225.15,22.07) v1(225.18,19.72) v1(225.15,17.32) v1(225.15,14.97) v1(225.23,1.43) v1(225.5,56.5) v1(225.97,79.8) v1(225.97,78.67) v1(225.99,77.35) v1(225.99,76.14) v1(227.22,68.17) v1(227.35,19.7) v1(227.35,17.34) v1(227.35,14.97) v1(227.38,22.07) v1(227.55,79.8) v1(227.56,78.67) v1(227.55,77.35) v1(227.56,76.14) v1(228.97,68.17) v1(229.15,79.8) v1(229.15,78.67) v1(229.15,77.35) v1(229.19,76.14) v1(229.62,45.97) v1(229.62,43.81) v1(229.62,41.54) v1(229.62,39.29) v1(229.6,37.09) v1(229.6,35.16) v1(229.6,33.14) v1(229.65,22.07) v1(229.65,19.69) v1(229.65,17.32) v1(230.65,68.15) v1(230.82,79.8) v1(230.82,78.67) v1(230.81,77.35) v1(230.81,76.14) v1(230.81,74.64) v1(230.81,73.14) v1(237.93,77.63) v1(237.93,67.47) v1(237.93,59.85) v1(237.93,52.23) v1(237.93,44.61) v1(237.93,36.99) v1(237.93,29.37) v1(237.93,21.75) v1(237.93,14.13)
